# Altium PCB main_io.PcbDoc (part 3 of 6)
Units mil, origin at the board's own origin, x right, y up, seen from the top; angles counter-clockwise.
Board outline 6000 x 9000 mil, 4 copper layers (Top Layer, GND, PWR, Bottom Layer), stack 25.634 mil thick; 548 components, 268 nets, 1608 pads, 404 vias.
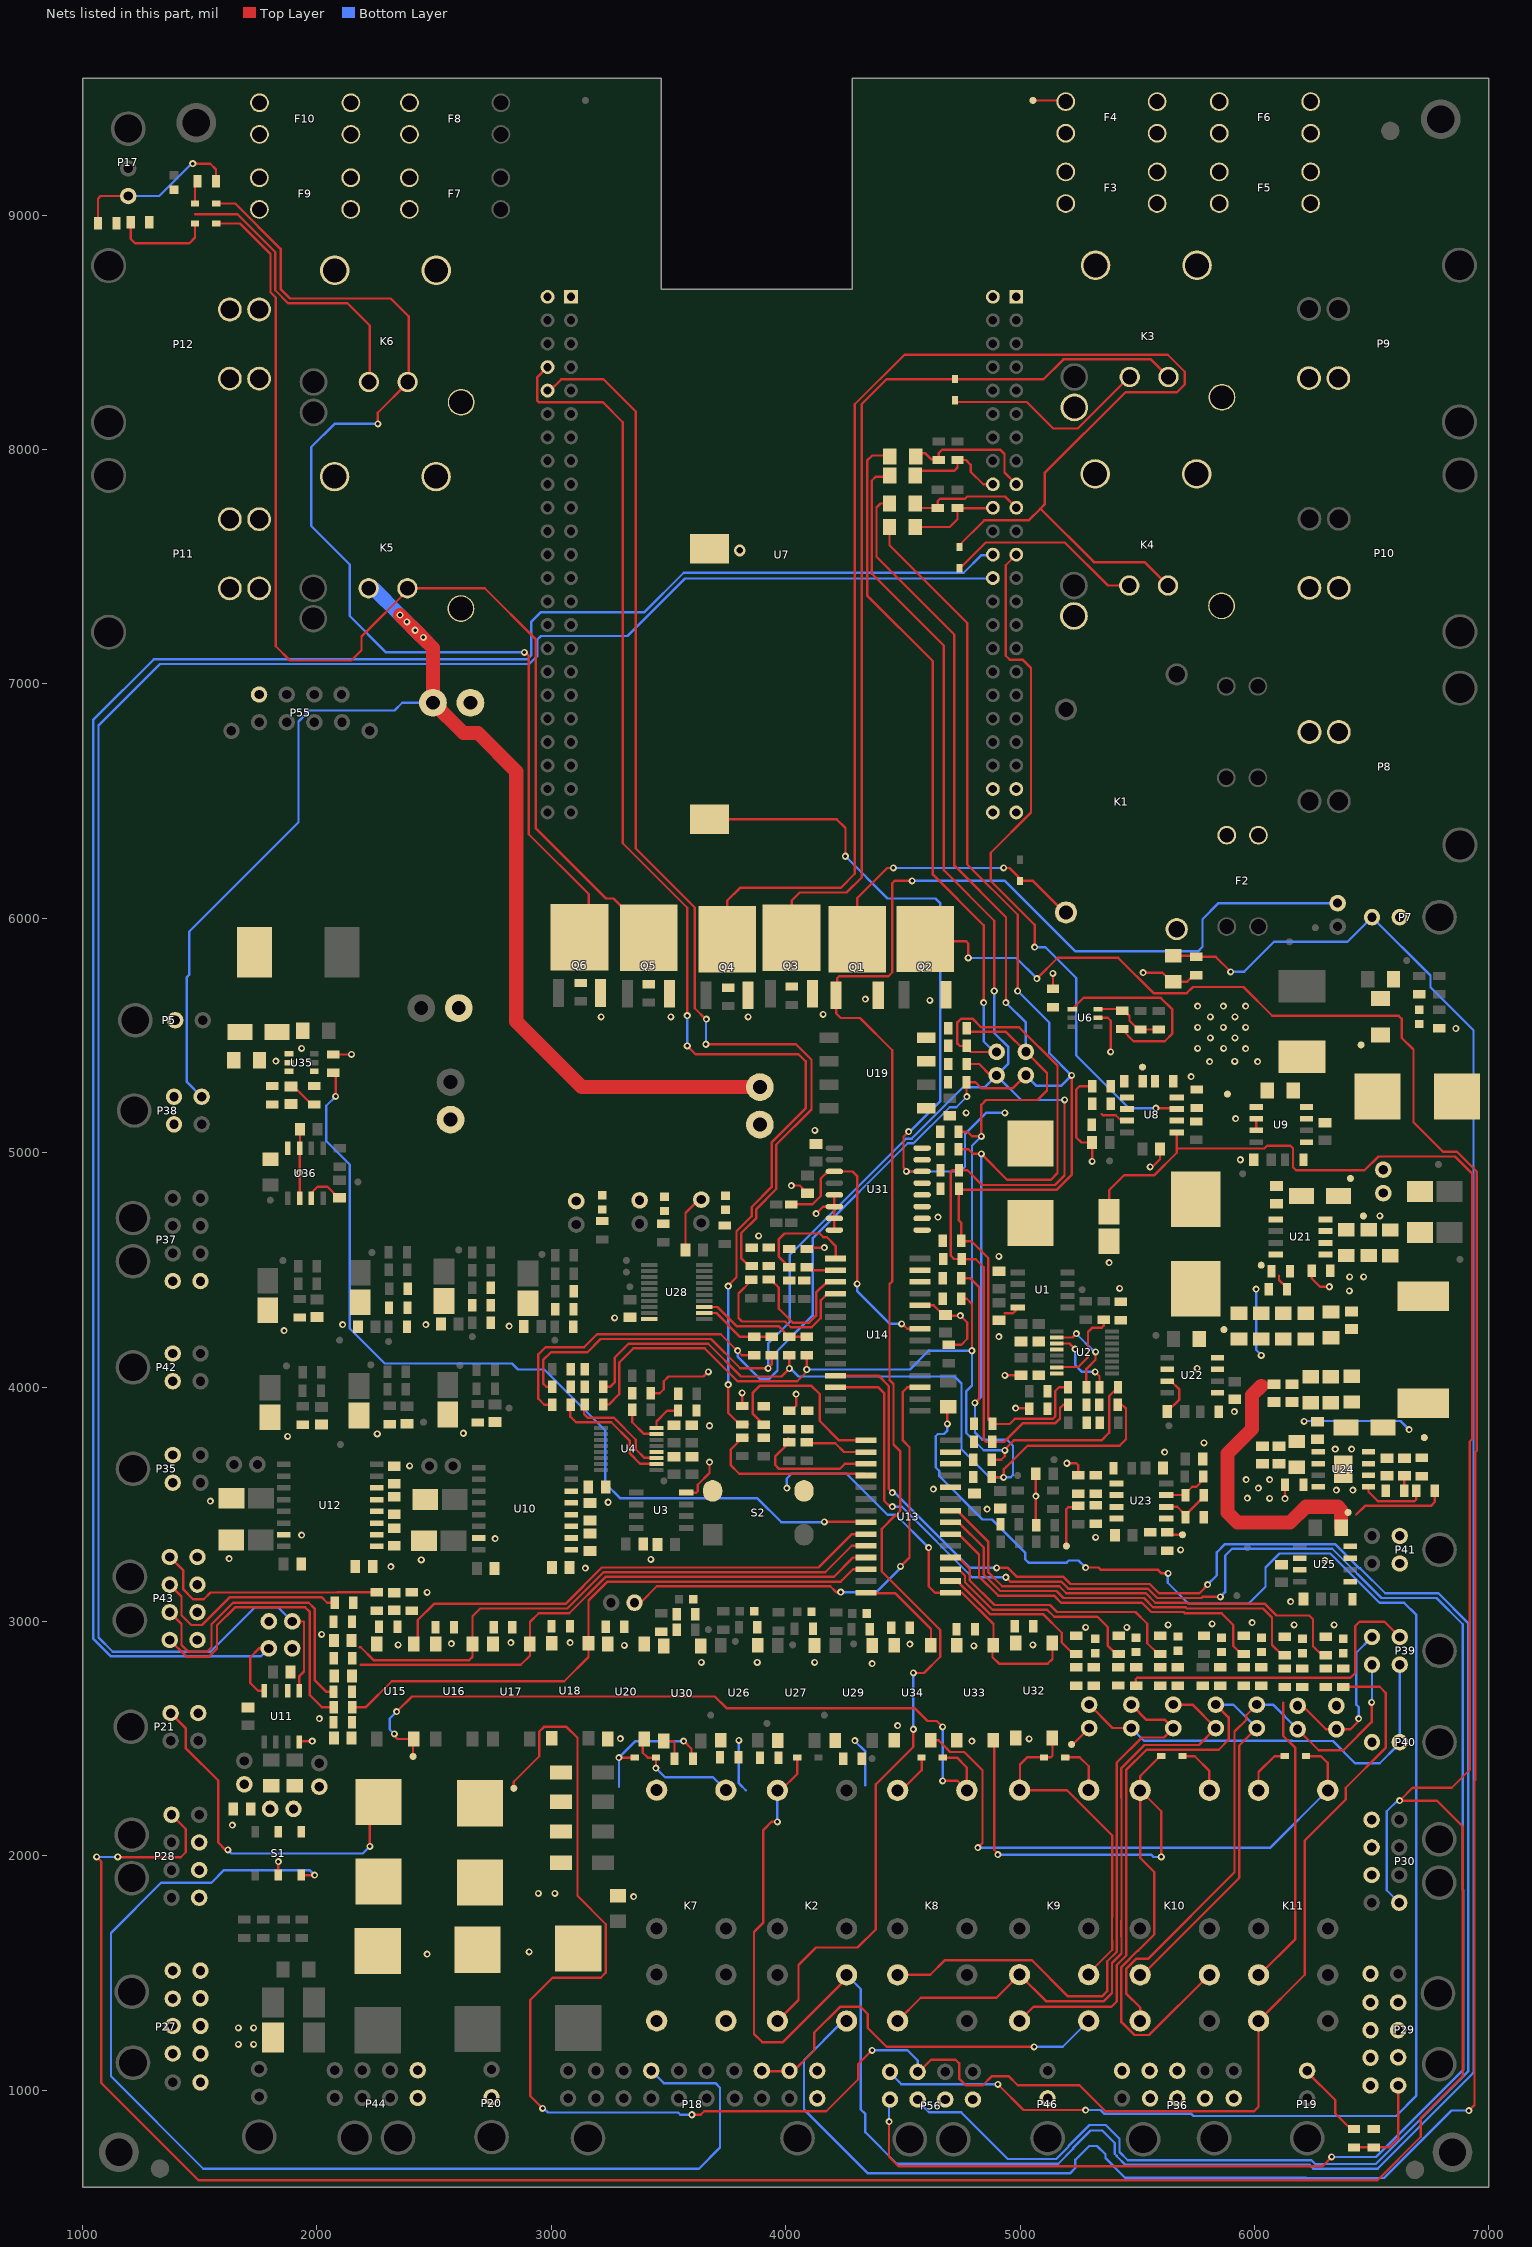
[diagram p5: the nets of this part, all layers, seen from the top]

## Via types
v1: diameter 30, hole 15, Top Layer to Bottom Layer, 396 vias
v2: diameter 50, hole 28, Top Layer to Bottom Layer, 8 vias

## Nets (pads, with @x,y where several pads share a name; then routed paths per layer and width w, separated by ;. In a path a pad name is that pad's centre, name@x,y a point inside that pad or via, vN(x,y) a via of type N, cw(c..) or ccw(c..) an arc to the next point about the centre after c; other vN are vias at no path point) (continued)
CAN1_RXD: P23.1 U7.24 U11.4 | length 9206.9
  Top Layer w10: U11.4@1775,2704.25 1748.58,2704.25 1715,2737.83 1715,2846.85 1753.15,2885 P23.1@1794.39,2885
  Bottom Layer w10: P23.1@1794.39,2885 1760.39,2851 1120.72,2851 1045,2926.72 1045,6846 1304,7105 2897.43,7105 2915,7122.57 2915,7266 2954.47,7305.47 3395.47,7305.47 3565,7475 4760,7475 4835,7550 U7.24@4884,7550
CAN1_TERM_H: P22.1 R65.2 S1.4
CAN1_TERM_L: C22.2 P22.2 R66.2 S1.5
CAN1_TXD: P24.1 U7.26 U11.1 | length 9316.9
  Top Layer w10: P24.1@1895,3000 1945,3000 1945,2786.69 1925,2766.69 U11.1@1925,2704.25
  Bottom Layer w10: P24.1@1895,3000 1835,3060 1735,3060 1546,2871 1129,2871 1068.1,2931.9 1068.1,6823.1 1330,7085 2905.71,7085 2939.47,7118.76 2939.47,7188.47 2956,7205 3325,7205 3570,7450 U7.26@4884,7450
Charge_LV: R210.1 U13.22 U35.4 | length 3833.5
  Top Layer w10: R210.1@2070,5340.63 2079.96,5330.67 v1(2079.96,5240) ; v1(4165,3425) 4340.95,3425 U13.22@4343.33,3422.61
  Bottom Layer w10: v1(2079.96,5240) 2040,5200.04 2040,5050 2140,4950 2140,4250 2289.5,4100.5 2832.43,4100.5 2857.92,4075 2970,4075 3230,3815 3230,3590 3295,3525 3880,3525 3981.93,3423.07 ; v1(4165,3425) 4163.87,3423.87 3982.72,3423.87 3981.93,3423.07 ; 3981.93,3423.07 3981.47,3422.61 3981.93,3423.07
Charge_PWR_SRC: P18.17 S1.3 | length 5067.1
  Top Layer w10: S1.3@1940,1900.47 S1.3@1935,1905.47 ; v1(1990,1917.48) 1941.81,1917.48 S1.3@1935,1910.67 ; S1.3@1935,1905.47 1932.4,1908.07 S1.3@1935,1910.67 ; S1.3@1935,1905.47 S1.3@1935,1910.67
  Bottom Layer w10: v1(1990,1917.48) 1968.48,1939 1604,1939 1550,1885 1335,1885 1121,1671 1121,1059 1515,665 3630,665 3720,755 3720,1010 3700,1030 3479.49,1030 P18.17@3426.49,1083 P18.17@3426.49,1072.51
"E-STOP +": P39.2 P40.1 P48.2 P49.1 R191.1 R194.1 | length 1799.2
  Top Layer w10: P48.2@5295,2645 5395,2545 P49.1@5475,2545
  Bottom Layer w10: P49.1@5475,2545 5529,2491 6162.13,2491 6163.56,2489.57 6335,2489.57 6429.57,2395 6535,2395 6610,2470 6610,2485.75 6620,2495.75 P39.2@6620,2815.49
"E-STOP -": K8.3 P39.1 P49.2 P50.1 R192.1 R196.1 | length 3910.7
  Top Layer w10: K8.3@4477.8,1492.13 4617.13,1492.13 4680,1555 5050,1555 5205,1400 5350,1400 5372.52,1422.52 5372.52,1550.23 5413.23,1590.94 5413.23,1646.73 5412.52,1647.44 5412.52,1730.51 5413.23,1731.22 5413.23,2237.28 5412.52,2237.99 5412.52,2397.52 5520,2505 5613.7,2505 P50.1@5653.7,2545 5618.7,2580 5540,2580 P49.2@5475,2645 ; R192.1@5495,2725.63 5493.03,2727.6 5493.03,2753.03 5500,2760 6410,2760 6430,2780 6430,2980 6448.95,2998.95 6554.54,2998.95 P39.1@6620,2933.49
E_STOP_FDBK: R196.2 R197.1 U13.3 | length 929.9
  Top Layer w10: U13.3@4703.33,3222.61 4737.39,3222.61 4765,3195 4765,3167.44 4882.44,3050 5115.63,3050 5145.63,3020 5330,3020 5375,2975 5375,2895 5409.37,2860.63 R197.1@5420.28,2860.63
GND: BT2.1 C1.2 C2.2 C3.2 C4.2 C5.2 C6.2 C7.2 C8.2 C9.2 C10.2 C11.2 C12.2 C13.2 C14.2 C15.2 C16.2 C17.2 C18.2 C19.1 C20.2 C22.1 C24.1 C25.1 C26.2 C27.1 C28.1 C31.1 C32.1 C33.2 C34.2 C35.2 C36.2 C37.2 C38.2 C39.2 C40.2 C41.2 C42.2 C43.2 C44.2 C45.2 C46.2 C47.2 C48.2 C49.2 C50.2 C52.2 C53.2 C54.2 C55.2 C56.2 C57.2 C58.2 C59.2 C60.2 C61.2 C62.1 C63.2 C64.2 C66.2 C67.2 C68.2 C69.2 C70.2 C71.1 C72.2 C73.1 C74.2 C75.2 C76.2 C77.2 C78.1 C79.2 C80.2 C81.2 C82.2 C84.2 C85.2 C86.1 C87.2 C88.2 C89.2 C90.2 D7.1 D8.1 D9.1 D10.1 D11.2 D12.2 D13.2 D14.2 D15.2 D16.2 D17.2 D18.2 D19.2 D20.2 D22.2 D23.2 D24.2 D25.2 D26.2 D27.2 K7.4 K7.5 LED1.2 LED2.2 LED4.2 LED5.2 LED10.2 LED11.2 LED12.2 LED13.2 LED14.2 LED15.2 LED16.2 P1.1 P2.2 P3.1 P4.2 P5.1 P7.1 P11.2 P12.2 P18.1 P18.11 P20.1 P21.4 P23.2 P24.2 P25.2 P26.2 P27.6 P27.7 P27.8 P27.9 P27.10 P28.5 P28.6 P28.7 P29.6 P29.7 P29.8 P29.9 P29.10 P30.5 P30.6 P30.7 P31.2 P32.2 P33.2 P34.2 P35.1 P35.2 P36.1 P36.2 P36.3 P36.4 P37.1 P37.5 P38.1 P38.2 P41.1 P41.2 P42.1 P42.2 P44.1 P44.5 P46.1 P55.1 P56.2 Q1.3 Q2.3 Q3.3 Q4.3 Q5.3 Q6.3 R10.1 R11.1 R21.1 R22.1 R32.1 R33.1 R34.1 R35.1 R36.1 R37.1 R38.1 R48.1 R63.1 R64.1 R68.1 R77.1 R78.1 R79.1 R80.1 R89.1 R90.1 R91.1 R92.1 R93.1 R96.1 R97.1 R98.1 R99.1 R102.1 R103.1 R104.1 R115.1 R126.1 R135.1 R138.1 R143.1 R148.1 R149.1 R154.2 R155.1 R160.1 R161.2 R188.2 R190.2 R193.1 R195.2 R197.2 R202.2 R204.2 R206.2 R207.1 R208.1 R210.2 R212.1 TH1.1 TH2.1 TH3.1 TH4.1 TH5.1 TH6.1 U1.4 U2.4 U3.4 U4.4 U6.2 U7.1 U7.2 U7.43 U7.44 U7.45 U7.46 U7.101 U7.102 U8.4 U9.2 U9.3 U9.7 U10.15 U11.2 U11.8 U12.15 U13.10 U14.10 U18.3 U19.1 U20.3 U21.6 U22.2 U22.3 U22.7 U23.4 U24. U24.7 U25.2 U25.3 U25.7 U26.3 U27.3 U28.10 U29.3 U30.3 U31.5 U31.6 U31.7 U31.8 U31.9 U31.10 U31.11 U31.12 U31.13 U32.3 U33.3 U34.3 U35.2 U36.2 U36.3 U36.7 | length 4166.6
  Top Layer w10: U11.8@1925,2485.75 1928.64,2489.39 v1(1980,2489.39) ; U36.2@1926.06,4805.12 1926.06,4915.24 v1(1925.8,4915.5) 1926.06,4915.76 U36.7@1926.06,5019.69 1927.6,5021.22 C86.1@1927.6,5100 ; U36.3@1976.06,4805.12 1976.06,4828.35 2002.72,4855 2044.43,4855 C85.2@2096.83,4802.6 ; R210.2@2070,5419.37 2146.77,5419.37 v1(2147.4,5420) ; R21.1@3424.37,3973.27 3462.91,3973.27 3480,3990.35 3480,4025 3500,4045 3649.95,4045 v1(3669.95,4065) ; C76.2@3572.83,4585.32 3572.83,4742.83 3630,4800 P31.2@3640,4800 ; U3.4@3575.44,3549.43 3618.8,3549.43 3625,3555.63 3625,3583.23 3675,3633.23 v1(3675,3680) ; v1(3814.49,3975.63) 3814.49,3919.88 R77.1@3815,3919.37 ; R78.1@4015,3899.37 4024.46,3899.37 4045,3919.91 v1(4045,3970) ; v1(4024.76,4859.98) 4059.98,4859.98 C79.2@4092.36,4827.6 ; R91.1@4090,4589.37 4095.63,4595 v1(4165,4595) ; v1(4130,4740) 4160,4770 U31.6@4207.99,4770 ; U31.8@4207.99,4670 U31.7@4207.99,4720 U31.6@4207.99,4770 ; U31.5@4207.99,4820 U31.6@4207.99,4770 ; U14.10@4573.13,4348.78 4631.22,4348.78 4672.6,4307.4 C34.2@4682.31,4307.4 4684.71,4305 v1(4745,4305) 4775,4275 4775,4206.2 4748.8,4180 4703.33,4180 R68.1@4696.87,4173.53 ; 4933.74,4314.88 4970,4314.88 4980.12,4325 4980.12,4329.46 U1.4@4990,4339.35 ; v1(4935,4050) 5004.84,4050 C6.2@5005,4049.84 ; v1(4980.87,3910) 5036.02,3910 R11.1@5038.78,3907.24 ; C46.2@5067.6,3630 v1(5067.6,3534.37) 5067.6,3416.81 5065.63,3414.84 TH6.1@5069.8,3410.67 ; R33.1@5140.63,5699.37 v1(5140.63,5765) ; v1(5200,3675) 5240,3675 5247.8,3667.2 R149.1@5247.8,3623.6 ; v1(5307.94,4962.6) 5307.47,4963.07 C20.2@5307.47,5043.31 5261.69,5043.31 5240,5065 5240,5270 5253.5,5283.5 R64.1@5307.94,5283.5 ; U6.2@5337.4,5580 U6.2@5332.91,5575.51 5374.49,5575.51 5386.69,5563.31 v1(5386.69,5430.51) ; v1(5525,5768) 5607.69,5768 5645.8,5729.88 C13.2@5654,5729.88 5712.88,5729.88 5740.63,5757.63 R34.1@5752.51,5757.63 ; v1(5555.51,4939.37) 5564.37,4939.37 5597.4,4972.4 C14.2@5597.4,5015 ; C61.2@5627.6,3895 5680,3947.4 5680,3989.13 5643.5,4025.63 U22.3@5627.91,4025.63 ; U9.3@6007.72,5095 U9.2@6007.72,5145 ; R154.2@6130.63,3582.69 v1(6130.63,3523.78) 6130.63,3516.09 6134.54,3520 v1@6135.63,3518.91
  other v1: 2470,1580 2905,1590 2945,1840 3015,1840 1638.9,2130.51 4795,2489.39 5038.78,2498.5 3295,2500 4478.15,2555.75 2010,2585 4368.74,2820 3640.28,2825 3878.74,2825 4123.74,2825 4803.2,2895.51 3311.36,2897.39 2346,2900 5054.88,2899.65 4530,2903.02 2573.67,2905 2827.67,2910 3080,2910 2020,2945 5280,2975 5456.21,2975 5631.57,2985 6170,2985 6340,2985 5820,2990 5990,2995 6155,3084.37 2470,3123.5 3145,3227.5 2315,3233.5 6300.95,3260 2445,3263 3424.37,3265 1625,3268 5685,3305 2760,3353 5322.69,3358.43 1935,3368 4860,3479.68 3242.62,3508.5 1545,3513 6350,3560 6420,3560 4630,3565 2395.41,3663.5 5616.69,3722.13 6345,3735 6415,3735 5785,3762.03 1875,3790 2257.24,3800 2625,3802.91 3675,3835 5915,3895 5755.32,4080.12 4910,4214.88 1860,4240.5 2820,4260.5 2110,4266.26 2465,4266.26 3270,4295 6405,4410 5425,4421.26 6406.34,4470 6466.34,4470.63 5380,4531.26 4910,4557.8 3885,4645 4650,4725 5940,4970 4125,5095 5920,5145 4770,5170 5730.51,5324.37 1825,5390.5 1935,5445.5 6860,5530 3212.29,5580 3510,5580 3840,5580 4160,5590 4615,5650 4340,5655
  other v2: 3804.49,7570
GPIO0_RST_n: R69.1 R77.2 U7.108 U13.18 | length 6376.3
  Top Layer w10: U7.108@2984,8352 2939.47,8307.47 2939.47,8209.53 2946.99,8202.01 3219.98,8202.01 3305,8116.99 3305,6320.38 3580,6045.38 v1(3580,5584.56) ; v1(3580,5455.51) 3615.51,5420 4055,5420 4085,5390 4085,5188.62 3940,5043.62 3940,4853.28 3855,4768.28 3855,4729.58 3790,4664.58 3790,4468.28 3770,4448.28 3770,4448.23 3752.35,4430.57 v1(3755,4430.57) ; v1(3755,4010) 3755,3890 3804.37,3840.63 R77.2@3815,3840.63 R77.2@3840,3840.63 ; R69.1@3839.49,3784.37 3816.97,3784.37 3765,3732.4 3765,3667.06 3802.06,3630 4335.95,3630 U13.18@4343.33,3622.61
  Bottom Layer w10: v1(3580,5455.51) v1(3580,5584.56) ; v1(3755,4010) v1(3755,4430.57)
GPIO1_RST_n: R81.1 R89.2 U7.110 U14.18 | length 5533.8
  Top Layer w10: U7.110@2995,8252 3043,8300 3124,8300 3222.62,8300 3360,8162.62 3360,6298.04 3612.26,6045.78 3612.26,5616.19 3658.45,5570 v1(3662,5570) ; v1@3652.17,5462.83 v1(3660,5462.83) 4043.88,5462.83 4110,5396.72 4110,5185 3960,5035 3960,4845 3875,4760 3875,4721.3 3810,4656.3 3810,4550.32 3853.27,4507.05 R89.2@3870,4507.05 ; R81.1@3868.13,4451.69 3850.91,4451.69 3798.74,4399.53 3798.74,4295 3813.74,4280 3996.72,4280 4021.72,4255 4110.79,4255 4150,4294.21 4150,4370 4178.78,4398.78 U14.18@4213.13,4398.78
  Bottom Layer w10: v1(3660,5462.83) 3660,5568 v1(3662,5570)
HB_OUT: D11.1 P28.4 P30.4 U8.1 | length 14508.3
  Top Layer w10: v1(1060,1995) 1080,1975 1080,1031 1496,615 6524,615 6710,801 6710,881 6889.4,1060.4 6889.4,2124.75 6779.15,2235 v1(6620,2235) 6675,2290 6842.13,2290 6919,2366.87 6919,2594 6919,3767.17 6929,3777.17 6929,4911 6856,4984 6529,4984 6470,4925 6177.6,4925 6165,4937.6 6165,5019.13 6154.13,5030 6054.28,5030 6042.47,5018.19 5670.16,5018.19 5668.81,5019.54 ; v1(1150,1995) 1142,1995 1141,1994 1419,1994 1440,2015 1440,2114.49 P28.4@1379.49,2175 ; D11.1@5380,4747.99 5380,4840 5444.37,4904.37 5573.57,4904.37 5668.81,4999.61 5668.81,5019.54 ; U8.1@5668.81,5086.54 5668.81,5019.54
  Bottom Layer w10: v1(1060,1995) 1140,1995 1145,1990 v1(1150,1995) ; P30.4@6618.27,1800 6565,1853.27 6565,2190 6620,2245 v1(6620,2235)
High_Contactor_Aux: P56.4 U14.26 | length 8409.8
  Top Layer w10: U14.26@4213.13,3998.78 4396.22,3998.78 4420,3975 4420,3515 4445,3490 v1(4455,3490) ; v1(4441,866) 4441,716 4482,675 6290,675 v1(6330,715) ; v1(4940,3188.5) 4958.5,3170 5175.73,3170 5205.73,3140 5545.15,3140 5585.15,3100 5773.91,3100 5778.91,3105 v1(5855,3105)
  Bottom Layer w10: v1(4441,866) 4441,950.29 P56.4@4445.71,955 ; v1(4455,3490) 4495,3490 4796.5,3188.5 v1(4940,3188.5) ; v1(5855,3105) 5875,3125 5875,3280 5905,3310 6332.35,3310 6542.35,3100 6776.72,3100 6888.81,2987.91 6888.81,1855.67 6891.9,1852.57 6891.9,1087.77 6519.13,715 v1(6330,715)
HV_CHRG/DCHRG_EN: K9.5 P18.12 P18.13 | length 1705.3
  Top Layer w10: P18.13@3897.72,1081 P18.12@4015.72,1081 ; P18.12@4020.5,1068.5 4122,1170 4122,1245.43 4231.84,1355.28 4320,1355.28 4320,1355 4350,1325 4350,1265 4430,1185 v1(5060,1185)
  Bottom Layer w10: v1(5060,1185) 5182.32,1185 K9.5@5293.07,1295.75
I2C1_SCL: P15.2 R9.2 R20.2 R43.1 R74.2 R86.2 R127.1 R168.1 R179.1 | length 9935.2
  Top Layer w10: R20.2@3221.32,4000.63 3250.63,4000.63 3270,4020 3270,4125 3330,4185 3670,4185 3810,4045 3981.76,4045 v1(4016,4079.24) R168.1@4016,4135.63 ; R43.1@4443.39,7985 4433.39,7975 4369.37,7975 4347.47,7953.1 4347.47,7377.53 4628.27,7096.73 4628.27,6186.73 4845,5970 v1(4845,5640) ; R179.1@4739.37,5000.59 4753.78,5015 4780,5015 4800,4995 v1(4835,4995) 4945,4885 5131.65,4885 5160,4913.35 5160,5371.72 4996.2,5535.51 4833.35,5535.51 4796.77,5572.09 4748.91,5572.09 4732.8,5555.97 4732.8,5465.47 4742.76,5455.51 R127.1@4772.84,5455.51 4772.84,5442.16 4780,5435 4785,5435 4790,5430 P15.2@4900,5430 P15.2@4907.91,5430 ; R86.2@4749.37,4465 4786.95,4465 4825,4426.95 4825,3949.49 v1(4807.76,3932.24) ; R74.2@4879.37,3616.26 4878.11,3615 v1(4930,3615) 4930,3648.28 4941.72,3660 ; 4942.43,3660 4960,3677.57 ; 4960,3678.28 5031.72,3750 5425,3750 5452.09,3777.09 5452.09,3907.91 5436.32,3923.68 R9.2@5417.32,3923.68
  Bottom Layer w10: v1(4016,4079.24) 4020.76,4079.24 4055,4045 4720,4045 4750,4015 4750,3735 4870,3615 v1(4930,3615) 4960,3615 4970,3625 4970,3750 4945,3775 4839.37,3775 4807.76,3806.61 v1(4807.76,3932.24) 4835,3959.49 v1(4835,4995) ; v1(4845,5640) 4845,5475 4890,5430 P15.2@4900,5430
I2C1_SCL_BB: R42.1 R43.2 U7.17 | length 585.9
  Top Layer w10: R43.2@4553.62,7985 4594.96,7985 4620.51,7959.45 4649.72,7959.45 R42.1@4653.54,7955.63 4653.54,7985.28 4668.27,8000 4915,8000 4934,7981 4934,7902 U7.17@4984,7852
I2C1_SDA: P15.1 R8.2 R19.2 R44.2 R73.2 R85.2 R130.1 R169.1 R182.1 | length 8910.4
  Top Layer w10: R19.2@3004.14,4001.67 2978.33,4001.67 2965,4015 2965,4115 2998.78,4148.78 3153.78,4148.78 3210,4205 3681.17,4205 3806.17,4080 3923.83,4080 3940,4096.17 R169.1@3940,4135.51 ; R44.2@4443.15,7900 4428.15,7885 4385,7885 4367.47,7867.47 4367.47,7470.92 4675,7163.39 4675,6205 4890,5990 v1(4890,5690) ; R85.2@4761.05,4545 4811.26,4545 4845,4511.26 4845,3775 4854.12,3765.88 R73.2@4881.94,3765.88 4931.77,3765.88 5010.89,3845 5149.07,3845 5170.24,3866.16 5170.24,3910.12 5184.03,3923.91 R8.2@5204.53,3923.91 ; R85.2@4761.05,4546.42 R85.2@4751.05,4546.42 4718.62,4546.42 4705.02,4560.02 4705.02,4919.1 4704.56,4919.56 4710.63,4925.63 R182.1@4739.24,4925.63 4774.37,4925.63 4837.6,4862.4 5149.12,4862.4 5190,4903.28 v1(5190,5225) ; R130.1@4772.15,5378.57 4825.69,5378.57 4874.25,5330 P15.1@4900,5330
  Bottom Layer w10: v1(3925,4080.12) 3925,4185.5 4017.98,4278.47 4017.98,4565 4512.94,5059.96 4537.43,5059.96 4757.47,5280 4850,5280 P15.1@4900,5330 ; v1(4890,5690) 4890,5511.32 4950.43,5450.89 4950.43,5380.43 P15.1@4900,5330 ; v1(5190,5225) 5005,5225 P15.1@4900,5330
I2C1_SDA_BB: R39.1 R44.1 U7.18 | length 431
  Top Layer w10: R44.1@4568.27,7885 4568.27,7896.26 4582.01,7910 4720,7910 4733.27,7923.27 R39.1@4733.27,7955.63 4769.37,7955.63 4790,7935 4790,7905 4843,7852 U7.18@4884,7852
I2C2_SCL: P16.2 R7.2 R18.2 R45.1 R75.2 R87.2 R133.1 R171.1 R183.1 | length 8127.9
  Top Layer w10: R18.2@3221.32,3925.63 3245.63,3925.63 3290,3970 3290,4105 3350,4165 3655,4165 3795,4025 4049.5,4025 4090,4065.5 v1(4090,4075) R171.1@4090,4135.51 ; R45.1@4443.15,7770 4405,7770 4387.47,7752.47 4387.47,7542.53 4720,7210 4720,6225 4940,6005 v1(4940,5640) ; R183.1@4737.7,5089.96 4775.04,5089.96 4795,5070 v1(4835,5070) 4835,5205 4855,5225 5075,5225 5115,5265 5115,5340.51 P16.2@5025,5430.51 4940,5515.51 4787.84,5515.51 R133.1@4772.84,5530.51 ; R87.2@4759.59,4377.24 4772.76,4377.24 4795,4355 v1(4795,4155) ; R75.2@4879.37,3690 4920,3690 4935,3705 v1(4935,3730) 4935,3734.23 4973.39,3772.61 5347.43,3772.61 5380,3805.18 5380,3960.72 R7.2@5417.95,3998.68
  Bottom Layer w10: v1(4090,4075) 4530,4075 4610,4155 v1(4795,4155) ; v1(4835,5070) 4795,5030 v1(4795,4155) ; v1(4935,3730) 4845,3730 4770,3805 4770,3981.72 4795,4006.72 v1(4795,4155) ; v1(4940,5640) 5025,5555 P16.2@5025,5430.51
I2C2_SCL_BB: R41.1 R45.2 U7.19 | length 491.2
  Top Layer w10: R45.2@4558.39,7770 4577.76,7750.63 R41.1@4648.27,7750.63 4648.27,7780 4658.27,7790 4764.92,7790 4774.92,7800 4936,7800 U7.19@4984,7752
I2C2_SDA: P16.1 R6.2 R17.2 R46.2 R76.2 R88.2 R131.1 R172.1 R184.1 | length 8758.4
  Top Layer w10: R17.2@3004.14,3924.94 2970.06,3924.94 2945,3950 2945,4140 2975,4170 3140.12,4170 3195.12,4225 3723.28,4225 3812.77,4135.51 R172.1@3865,4135.51 ; R46.2@4443.15,7670 4443.15,7591.85 4775,7260 4775,6230 4990,6015 v1(4990,5690) ; R88.2@4749.37,4625 4749.37,4700.63 4739.24,4710.76 R184.1@4739.24,4845.31 4742.15,4842.4 5157.4,4842.4 5220,4905 v1(5220,5330) ; R88.2@4749.59,4640.41 4759.37,4630.63 4759.37,4622.01 4792.36,4622.01 4865,4549.37 4865,3860.16 R76.2@4882.43,3842.73 4955.9,3842.73 4978.17,3865 5140.79,3865 5150.24,3874.45 5150.24,3982.81 5166.34,3998.91 R6.2@5204.53,3998.91 ; v1(4772.84,5239) 4771.52,5240.32 R131.1@4771.52,5301.17 4808.83,5301.17 4834.49,5275.51 4970,5275.51 P16.1@5025,5330.51
  Bottom Layer w10: v1(3795,4155.12) 3795,4130 3890,4035 3929.37,4035 3965,4070.63 3965,4155 4115,4305 4115,4633.74 4521.22,5039.96 4545.71,5039.96 4700,5194.25 4728.09,5194.25 v1(4772.84,5239) ; v1(4990,5690) 5125,5555 5125,5425 v1(5220,5330) 5175,5285 5070.51,5285 P16.1@5025,5330.51
I2C2_SDA_BB: R40.1 R46.1 U7.20 | length 392.8
  Top Layer w10: R46.1@4553.39,7670 4700,7670 4733.27,7703.27 R40.1@4733.27,7750.63 4733.9,7750 4882,7750 U7.20@4884,7752
IMD_STAT_FDBK: R201.2 R202.1 U13.6 | length 1570.8
  Top Layer w10: U13.6@4703.33,3372.61 4737.39,3372.61 4825,3285 4825,3192.3 4907.3,3110 5144.56,3110 5174.56,3080 5520.29,3080 5560.29,3040 5698.8,3040 5704.43,3034.37 5860.63,3034.37 5910,2985 5910,2895 5944.37,2860.63 R202.1@5955,2860.63
"Inertia_Switch +": K10.4 P39.4 P52.2 P54.2 R198.1 R201.1 | length 2501.7
  Top Layer w10: K10.4@5512.8,1295.28 5512.8,1352.2 5452.52,1412.48 5452.52,1517.09 5495.43,1560 5545.5,1560 5915,1929.5 5915,2530 5965,2580 5965,2600 P52.2@6010,2645 ; P54.2@6184.45,2540 6274.45,2450 6380,2450 6500.27,2570.27 v1(6500.27,2654.73)
  Bottom Layer w10: P52.2@6010,2645 6079.45,2645 P54.2@6184.45,2540 ; v1(6500.27,2654.73) 6502,2656.46 P39.4@6502,2815.49
"Inertia_Switch -": K11.3 P39.3 P53.1 P54.1 R199.1 R203.1 | length 1967.7
  Top Layer w10: K11.3@6017.8,1492.13 6022.13,1492.13 6175,1645 6175,2460 6123.39,2511.61 6123.39,2653.27 ; P54.1@6184.45,2640 6205,2640 6305,2540 P53.1@6350,2540 6410,2540 6445,2575 v1(6445,2585) ; R199.1@6205,2720.63 R199.1@6215.63,2720.63
  Bottom Layer w10: v1(6445,2585) 6445,2635 6435,2645 6435,2866.49 P39.3@6502,2933.49
INRT_STAT_FDBK: R203.2 R204.1 U13.7 | length 1796.7
  Top Layer w10: U13.7@4703.33,3422.61 4737.39,3422.61 4845,3315 4845,3200.58 4915.58,3130 5155,3130 5185,3100 5528.58,3100 5568.58,3060 5707.09,3060 5712.09,3055 6036.42,3055 6075,3016.42 6075,2900 6119.37,2855.63 R204.1@6130,2855.63